# Allegro board 8880F5-0823_RXTX.brd (continued)
## Routing (per net, layer and track width the routed paths; a pad name or vN(x,y) marks a point on that pad's centre or on a via; arc(x,y) is an arc through that point) (continued)
; D132.B9 105.87,38.1 ; D132.B9 107.49,38.1 ; D131.A16 124.46,56.69 ; D131.A16 124.46,55.07 ; D131.A16 125.27,55.88 ; D131.A16 123.65,55.88 ; 164.39,63.5 D318.A3 ; D318.A3 165.1,64.21 ; D318.A3 165.1,62.79 ; D318.A3 165.81,63.5 ; 190.5,380.19 D431.B5 ; D431.B5 190.5,381.81 ; D431.B5 191.31,381 ; D431.B5 189.69,381 ; D317.A2 163.27,86.36 ; D317.A2 162.56,87.07 ; D317.A2 161.85,86.36 ; D317.A2 162.56,85.65 ; D125.B10 35.56,102.41 ; D125.B10 34.75,101.6 ; D125.B10 35.56,100.79 ; D125.B10 36.37,101.6 ; D120.A15 196.39,33.02 ; D120.A15 195.58,32.21 ; D120.A15 194.77,33.02 ; D120.A15 195.58,33.83 ; D321.B10 257.25,91.44 ; D321.B10 256.54,92.15 ; D321.B10 256.54,90.73 ; D321.B10 255.83,91.44 ; D322.B16 272.49,71.12 ; D322.B16 271.07,71.12 ; D322.B16 271.78,71.83 ; D322.B16 271.78,70.41 ; D123.A1 234.49,53.34 ; D123.A1 233.68,54.15 ; D123.A1 233.68,52.53 ; D123.A1 232.87,53.34 ; D431.B16 162.56,379.27 ; D431.B16 162.56,377.65 ; D431.B16 161.75,378.46 ; D431.B16 163.37,378.46 ; D306.B10 403.86,71.83 ; D306.B10 404.57,71.12 ; D306.B10 403.15,71.12 ; D306.B10 403.86,70.41 ; CSDPS229.C15 165.1,331.01 ; CSDPS229.C15 165.91,330.2 ; CSDPS229.C15 164.29,330.2 ; CSDPS229.C15 165.1,329.39 ; D108.A11 407.21,33.02 ; D108.A11 406.4,32.21 ; D108.A11 405.59,33.02 ; D108.A11 406.4,33.83 ; 321.87,83.82 D301.A7 ; D301.A7 323.29,83.82 ; D301.A7 322.58,84.53 ; D301.A7 322.58,83.11 ; 391.16,390.35 D112.B13 ; D112.B13 391.16,391.97 ; D112.B13 390.35,391.16 ; D112.B13 391.97,391.16 ; D116.B13 317.5,391.97 ; D116.B13 318.31,391.16 ; D116.B13 317.5,390.35 ; D116.B13 316.69,391.16 ; D106.B9 402.13,78.74 ; D106.B9 401.32,79.55 ; D106.B9 400.51,78.74 ; D106.B9 401.32,77.93 ; 340.36,367.49 D115.B4 ; D115.B4 339.55,368.3 ; D115.B4 341.17,368.3 ; 184.61,53.34 D119.A11 ; D119.A11 185.42,52.53 ; D119.A11 185.42,54.15 ; D119.A11 186.23,53.34 ; D109.A16 383.54,333.55 ; D109.A16 384.35,332.74 ; D109.A16 382.73,332.74 ; D109.A16 383.54,331.93 ; 329.03,245.95 SITE2.G17 ; SITE2.G17 328.55,246.43 ; SITE2.G17 329.03,246.91 ; SITE2.G17 329.51,246.43 ; 392.89,368.3 D111.B12 ; D111.B12 394.51,368.3 ; D111.B12 393.7,367.49 ; D111.B12 393.7,369.11 ; D231.B5 190.5,371.65 ; D231.B5 190.5,370.03 ; D231.B5 189.69,370.84 ; D231.B5 191.31,370.84 ; 387.81,347.98 D110.B14 ; D110.B14 388.62,347.17 ; D110.B14 388.62,348.79 ; D110.B14 389.43,347.98 ; 416.56,375.11 D111.A3 ; D111.A3 416.56,376.73 ; D111.A3 415.75,375.92 ; D111.A3 417.37,375.92 ; D130.B2 88.9,82.09 ; D130.B2 89.71,81.28 ; D130.B2 88.9,80.47 ; D130.B2 88.09,81.28 ; 342.09,375.92 D115.A3 ; D115.A3 343.71,375.92 ; D115.A3 342.9,376.73 ; D115.A3 342.9,375.11 ; D322.B6 247.09,71.12 ; D322.B6 245.67,71.12 ; D322.B6 246.38,71.83 ; D322.B6 246.38,70.41 ; CSDPS225.B10 252.27,332.74 ; CSDPS225.B10 251.46,331.93 ; CSDPS225.B10 251.46,333.55 ; CSDPS225.B10 250.65,332.74 ; 243.84,329.39 CSDPS225.C13 ; CSDPS225.C13 244.65,330.2 ; CSDPS225.C13 243.84,331.01 ; CSDPS225.C13 243.03,330.2 ; CSDPS429.B16 162.56,343.71 ; CSDPS429.B16 162.56,342.09 ; CSDPS429.B16 163.37,342.9 ; CSDPS429.B16 161.75,342.9 ; D127.A3 17.78,54.15 ; D127.A3 17.78,52.53 ; D127.A3 16.97,53.34 ; D127.A3 18.59,53.34 ; 327.66,395.43 D116.A9 ; D116.A9 327.66,397.05 ; D116.A9 326.85,396.24 ; D116.A9 328.47,396.24 ; D318.A1 160.02,64.21 ; D318.A1 160.02,62.79 ; D318.A1 160.73,63.5 ; D318.A1 159.31,63.5 ; 249.03,245.95 SITE1.G17 ; SITE1.G17 249.03,246.91 ; SITE1.G17 249.51,246.43 ; SITE1.G17 248.55,246.43 ; D322.A2 236.22,66.75 ; D322.A2 235.51,66.04 ; D322.A2 236.22,65.33 ; D322.A2 236.93,66.04 ; 388.62,70.41 D306.B4 ; D306.B4 389.33,71.12 ; D306.B4 387.91,71.12 ; D306.B4 388.62,71.83 ; 410.77,63.5 D306.A13 ; D306.A13 412.19,63.5 ; D306.A13 411.48,64.21 ; D306.A13 411.48,62.79 ; D114.B12 320.85,347.98 ; D114.B12 320.04,348.79 ; D114.B12 320.04,347.17 ; D114.B12 319.23,347.98 ; D110.B11 397.05,350.52 ; D110.B11 396.24,351.33 ; D110.B11 395.43,350.52 ; D110.B11 396.24,349.71 ; 160.02,32.21 D120.A1 ; D120.A1 160.83,33.02 ; D120.A1 160.02,33.83 ; D120.A1 159.21,33.02 ; 118.57,101.6 D129.B14 ; D129.B14 120.19,101.6 ; D129.B14 119.38,102.41 ; 255.73,60.96 D123.B10 ; D123.B10 257.35,60.96 ; D123.B10 256.54,61.77 ; D123.B10 256.54,60.15 ; 118.57,60.96 D131.B14 ; D131.B14 120.19,60.96 ; D131.B14 119.38,60.15 ; D131.B14 119.38,61.77 ; D119.A5 170.18,54.15 ; D119.A5 169.37,53.34 ; D119.A5 170.18,52.53 ; D119.A5 170.99,53.34 ; D120.B9 180.34,38.91 ; D120.B9 181.15,38.1 ; D120.B9 180.34,37.29 ; D120.B9 179.53,38.1 ; 108.41,55.88 D131.A10 ; D131.A10 109.22,55.07 ; D131.A10 109.22,56.69 ; D131.A10 110.03,55.88 ; D102.A5 317.5,74.47 ; D102.A5 318.31,73.66 ; D102.A5 316.69,73.66 ; D102.A5 317.5,72.85 ; 396.24,354.79 D110.A11 ; D110.A11 395.43,355.6 ; D110.A11 397.05,355.6 ; D110.A11 396.24,356.41 ; 250.65,40.64 D124.B8 ; D124.B8 251.46,39.83 ; D124.B8 251.46,41.45 ; D124.B8 252.27,40.64 ; D111.B7 407.21,370.84 ; D111.B7 406.4,370.03 ; D111.B7 406.4,371.65 ; D111.B7 405.59,370.84 ; 271.78,75.39 D122.A16 ; D122.A16 271.78,77.01 ; D122.A16 270.97,76.2 ; D122.A16 272.59,76.2 ; 329.03,242.35 SITE2.G13 ; SITE2.G13 329.51,242.83 ; SITE2.G13 328.55,242.83 ; SITE2.G13 329.03,243.31 ; D318.B10 183.59,71.12 ; D318.B10 182.17,71.12 ; D318.B10 182.88,70.41 ; D119.B2 163.37,60.96 ; D119.B2 162.56,61.77 ; D119.B2 162.56,60.15 ; D119.B2 161.75,60.96 ; 32.21,38.1 D128.B9 ; D128.B9 33.02,37.29 ; D128.B9 33.02,38.91 ; D128.B9 33.83,38.1 ; 182.07,342.9 CSDPS429.B8 ; CSDPS429.B8 182.88,343.71 ; CSDPS429.B8 182.88,342.09 ; CSDPS429.B8 183.69,342.9 ; 273.51,330.2 CSDPS225.C1 ; CSDPS225.C1 275.13,330.2 ; CSDPS225.C1 274.32,329.39 ; CSDPS225.C1 274.32,331.01 ; 329.33,180.85 SITE4.G2 ; SITE4.G2 328.85,181.33 ; SITE4.G2 329.81,181.33 ; SITE4.G2 329.33,181.81 ; 245.57,55.88 D123.A6 ; D123.A6 246.38,55.07 ; D123.A6 247.19,55.88 ; D123.A6 246.38,56.69 ; 104.14,100.79 D129.B8 ; D129.B8 104.95,101.6 ; D129.B8 103.33,101.6 ; D129.B8 104.14,102.41 ; D129.A1 87.17,93.98 ; D129.A1 85.55,93.98 ; D129.A1 86.36,93.17 ; D129.A1 86.36,94.79 ; D305.B10 404.57,91.44 ; D305.B10 403.86,92.15 ; D305.B10 403.15,91.44 ; D305.B10 403.86,90.73 ; 165.1,409.4 DPS8.C15 ; DPS8.C15 164.29,410.21 ; DPS8.C15 165.1,411.02 ; DPS8.C15 165.91,410.21 ; CSDPS425.C1 274.32,341.17 ; CSDPS425.C1 273.51,340.36 ; CSDPS425.C1 275.13,340.36 ; CSDPS425.C1 274.32,339.55 ; D111.A8 404.67,373.38 ; D111.A8 403.86,372.57 ; D111.A8 403.86,374.19 ; D111.A8 403.05,373.38 ; SITE4.G5 332.33,181.81 ; SITE4.G5 332.81,181.33 ; SITE4.G5 331.85,181.33 ; SITE4.G5 332.33,180.85 ; 314.15,35.56 D104.A4 ; D104.A4 314.96,34.75 ; D104.A4 315.77,35.56 ; D104.A4 314.96,36.37 ; D118.B8 178.61,81.28 ; D118.B8 177.8,82.09 ; D118.B8 176.99,81.28 ; 390.35,33.02 D108.A5 ; D108.A5 391.16,32.21 ; D108.A5 391.97,33.02 ; D108.A5 391.16,33.83 ; D112.B9 402.13,391.16 ; D112.B9 401.32,391.97 ; D112.B9 400.51,391.16 ; D112.B9 401.32,390.35 ; D318.B5 170.89,68.58 ; D318.B5 169.47,68.58 ; D318.B5 170.18,69.29 ; D318.B5 170.18,67.87 ; 165.1,385.27 D431.A15 ; D431.A15 164.29,386.08 ; D431.A15 165.91,386.08 ; D431.A15 165.1,386.89 ; D321.B4 242.01,91.44 ; D321.B4 241.3,92.15 ; D321.B4 241.3,90.73 ; D321.B4 240.59,91.44 ; D115.B16 310.69,368.3 ; D115.B16 309.88,367.49 ; D115.B16 309.07,368.3 ; 189.69,375.92 D231.A5 ; D231.A5 191.31,375.92 ; D231.A5 190.5,375.11 ; D231.A5 190.5,376.73 ; D104.A6 320.85,35.56 ; D104.A6 320.04,34.75 ; D104.A6 319.23,35.56 ; D104.A6 320.04,36.37 ; 266.7,331.93 CSDPS225.B4 ; CSDPS225.B4 267.51,332.74 ; CSDPS225.B4 265.89,332.74 ; CSDPS225.B4 266.7,333.55 ; D130.B4 93.98,82.09 ; D130.B4 94.79,81.28 ; D130.B4 93.98,80.47 ; D126.B9 33.02,79.55 ; D126.B9 33.02,77.93 ; D126.B9 33.83,78.74 ; D126.B9 32.21,78.74 ; 331.33,247.45 SITE2.G10 ; SITE2.G10 331.33,248.41 ; SITE2.G10 331.81,247.93 ; SITE2.G10 330.85,247.93 ; 180.34,385.27 D431.A9 ; D431.A9 179.53,386.08 ; D431.A9 181.15,386.08 ; D431.A9 180.34,386.89 ; 189.79,88.9 D317.B13 ; D317.B13 190.5,88.19 ; D317.B13 191.21,88.9 ; D317.B13 190.5,89.61 ; 396.24,72.85 D106.A7 ; D106.A7 396.24,74.47 ; D106.A7 395.43,73.66 ; D106.A7 397.05,73.66 ; 387.91,86.36 D305.A4 ; D305.A4 388.62,87.07 ; D305.A4 388.62,85.65 ; D305.A4 389.33,86.36 ; 314.15,327.66 D113.B14 ; D113.B14 314.96,328.47 ; D113.B14 315.77,327.66 ; D113.B14 314.96,326.85 ; CSDPS229.B2 198.12,333.55 ; CSDPS229.B2 198.12,331.93 ; CSDPS229.B2 198.93,332.74 ; CSDPS229.B2 197.31,332.74 ; 419.1,331.93 D109.A2 ; D109.A2 419.91,332.74 ; D109.A2 418.29,332.74 ; D109.A2 419.1,333.55 ; 182.88,331.93 CSDPS229.B8 ; CSDPS229.B8 182.07,332.74 ; CSDPS229.B8 183.69,332.74 ; CSDPS229.B8 182.88,333.55 ; 195.58,62.79 D318.A15 ; D318.A15 194.87,63.5 ; D318.A15 195.58,64.21 ; D318.A15 196.29,63.5 ; 322.58,88.19 D301.B7 ; D301.B7 322.58,89.61 ; D301.B7 321.87,88.9 ; D301.B7 323.29,88.9 ; 40.64,60.15 D127.B12 ; D127.B12 39.83,60.96 ; D127.B12 40.64,61.77 ; D127.B12 41.45,60.96 ; 408.94,55.07 D107.A12 ; D107.A12 408.13,55.88 ; D107.A12 409.75,55.88 ; D107.A12 408.94,56.69 ; D123.B3 239.57,58.42 ; D123.B3 237.95,58.42 ; D123.B3 238.76,59.23 ; D123.B3 238.76,57.61 ; 42.37,99.06 D125.B13 ; D125.B13 43.18,99.87 ; D125.B13 43.18,98.25 ; D125.B13 43.99,99.06 ; 172.72,60.15 D119.B6 ; D119.B6 172.72,61.77 ; D119.B6 171.91,60.96 ; D119.B6 173.53,60.96 ; D127.A9 33.02,54.15 ; D127.A9 33.83,53.34 ; D127.A9 33.02,52.53 ; D127.A9 32.21,53.34 ; 324.31,40.64 D104.B8 ; D104.B8 325.12,39.83 ; D104.B8 325.93,40.64 ; D104.B8 325.12,41.45 ; 248.85,187.93 SITE3.G8 ; SITE3.G8 249.33,187.45 ; SITE3.G8 249.81,187.93 ; SITE3.G8 249.33,188.41 ; U1.4 97.98,205.54 ; U1.4 97.04,204.6 ; U1.4 96.1,205.54 ; U1.4 97.04,206.48 ; 93.98,75.39 D130.A4 ; D130.A4 93.98,77.01 ; D130.A4 94.79,76.2 ; 330.2,392.89 D116.A8 ; D116.A8 329.39,393.7 ; D116.A8 330.2,394.51 ; D116.A8 331.01,393.7 ; 106.68,32.21 D132.A9 ; D132.A9 105.87,33.02 ; D132.A9 106.68,33.83 ; D132.A9 107.49,33.02 ; 316.69,335.28 D113.A13 ; D113.A13 318.31,335.28 ; D113.A13 317.5,336.09 ; D113.A13 317.5,334.47 ; UNK2U2.4 483.43,214.94 ; UNK2U2.4 482.49,215.88 ; UNK2U2.4 482.49,214 ; UNK2U2.4 481.55,214.94 ; D113.A8 331.01,332.74 ; D113.A8 330.2,333.55 ; D113.A8 329.39,332.74 ; D113.A8 330.2,331.93 ; 319.33,71.12 D302.B6 ; D302.B6 320.04,71.83 ; D302.B6 320.75,71.12 ; D302.B6 320.04,70.41 ; D321.B15 269.95,88.9 ; D321.B15 268.53,88.9 ; D321.B15 269.24,89.61 ; D321.B15 269.24,88.19 ; 248.21,63.5 D322.A7 ; D322.A7 248.92,64.21 ; D322.A7 248.92,62.79 ; D322.A7 249.63,63.5 ; 264.16,88.19 D321.B13 ; D321.B13 264.87,88.9 ; D321.B13 264.16,89.61 ; D321.B13 263.45,88.9 ; 382.83,66.04 D306.A2 ; D306.A2 384.25,66.04 ; D306.A2 383.54,65.33 ; D306.A2 383.54,66.75 ; 98.25,40.64 D132.B6 ; D132.B6 99.06,41.45 ; D132.B6 99.87,40.64 ; D108.A15 416.56,33.83 ; D108.A15 415.75,33.02 ; D108.A15 417.37,33.02 ; D108.A15 416.56,32.21 ; 20.32,100.79 D125.B4 ; D125.B4 19.51,101.6 ; D125.B4 21.13,101.6 ; D125.B4 20.32,102.41 ; 249.75,186.43 SITE3.G18 ; SITE3.G18 250.71,186.43 ; SITE3.G18 250.23,186.91 ; SITE3.G18 250.23,185.95 ; 314.96,60.15 D103.B4 ; D103.B4 314.15,60.96 ; D103.B4 315.77,60.96 ; D103.B4 314.96,61.77 ; D116.A10 325.12,394.51 ; D116.A10 325.93,393.7 ; D116.A10 325.12,392.89 ; D116.A10 324.31,393.7 ; D124.A2 236.22,36.37 ; D124.A2 236.22,34.75 ; D124.A2 235.41,35.56 ; D124.A2 237.03,35.56 ; 175.26,88.19 D317.B7 ; D317.B7 174.55,88.9 ; D317.B7 175.26,89.61 ; D317.B7 175.97,88.9 ; D119.B14 193.04,61.77 ; D119.B14 193.85,60.96 ; D119.B14 192.23,60.96 ; D119.B14 193.04,60.15 ; D128.A3 18.59,33.02 ; D128.A3 16.97,33.02 ; D128.A3 17.78,32.21 ; D128.A3 17.78,33.83 ; D116.B4 340.36,389.43 ; D116.B4 339.55,388.62 ; D116.B4 340.36,387.81 ; D116.B4 341.17,388.62 ; D113.A6 336.09,332.74 ; D113.A6 335.28,333.55 ; D113.A6 334.47,332.74 ; D113.A6 335.28,331.93 ; D112.B15 386.89,391.16 ; D112.B15 386.08,391.97 ; D112.B15 386.08,390.35 ; D112.B15 385.27,391.16 ; D114.B13 318.31,350.52 ; D114.B13 317.5,351.33 ; D114.B13 316.69,350.52 ; D114.B13 317.5,349.71 ; D132.B1 86.36,38.91 ; D132.B1 87.17,38.1 ; D132.B1 86.36,37.29 ; D132.B1 85.55,38.1 ; 180.34,62.79 D318.A9 ; D318.A9 181.05,63.5 ; D318.A9 180.34,64.21 ; D318.A9 179.63,63.5 ; D431.B7 185.42,381.81 ; D431.B7 186.23,381 ; D431.B7 185.42,380.19 ; D431.B7 184.61,381 ; 254,52.53 D123.A9 ; D123.A9 254,54.15 ; D123.A9 253.19,53.34 ; D123.A9 254.81,53.34 ; D119.B3 165.91,58.42 ; D119.B3 165.1,57.61 ; D119.B3 164.29,58.42 ; SITE3.G7 248.33,188.41 ; SITE3.G7 248.81,187.93 ; SITE3.G7 247.85,187.93 ; SITE3.G7 248.33,187.45 ; 165.1,88.19 D317.B3 ; D317.B3 164.39,88.9 ; D317.B3 165.81,88.9 ; D317.B3 165.1,89.61 ; 392.89,40.64 D108.B6 ; D108.B6 394.51,40.64 ; D108.B6 393.7,41.45 ; D108.B6 393.7,39.83 ; 337.11,88.9 D301.B13 ; D301.B13 337.82,88.19 ; D301.B13 337.82,89.61 ; D301.B13 338.53,88.9 ; 330.2,326.85 D113.B8 ; D113.B8 331.01,327.66 ; D113.B8 330.2,328.47 ; D113.B8 329.39,327.66 ; 48.26,37.29 D128.B15 ; D128.B15 49.07,38.1 ; D128.B15 47.45,38.1 ; D128.B15 48.26,38.91 ; 339.65,86.36 D301.A14 ; D301.A14 341.07,86.36 ; D301.A14 340.36,87.07 ; D301.A14 340.36,85.65 ; D111.A5 411.48,376.73 ; D111.A5 410.67,375.92 ; D111.A5 411.48,375.11 ; D111.A5 412.29,375.92 ; 332.74,62.79 D302.A11 ; D302.A11 332.03,63.5 ; D302.A11 332.74,64.21 ; D302.A11 333.45,63.5 ; D104.B15 342.9,38.91 ; D104.B15 342.9,37.29 ; D104.B15 342.09,38.1 ; D104.B15 343.71,38.1 ; 185.42,375.11 D231.A7 ; D231.A7 185.42,376.73 ; D231.A7 184.61,375.92 ; D231.A7 186.23,375.92 ; D318.A2 162.56,66.75 ; D318.A2 161.85,66.04 ; D318.A2 162.56,65.33 ; D318.A2 163.27,66.04 ; 383.54,39.83 D108.B2 ; D108.B2 382.73,40.64 ; D108.B2 384.35,40.64 ; D108.B2 383.54,41.45 ; 334.47,40.64 D104.B12 ; D104.B12 336.09,40.64 ; D104.B12 335.28,39.83 ; D104.B12 335.28,41.45 ; D317.A9 180.34,84.53 ; D317.A9 180.34,83.11 ; D317.A9 181.05,83.82 ; D317.A9 179.63,83.82 ; D124.A4 242.11,35.56 ; D124.A4 241.3,36.37 ; D124.A4 240.49,35.56 ; D124.A4 241.3,34.75 ; 185.42,329.39 CSDPS229.C7 ; CSDPS229.C7 184.61,330.2 ; CSDPS229.C7 186.23,330.2 ; CSDPS229.C7 185.42,331.01 ; D116.A2 345.44,394.51 ; D116.A2 344.63,393.7 ; D116.A2 345.44,392.89 ; D116.A2 346.25,393.7 ; 161.75,332.74 CSDPS229.B16 ; CSDPS229.B16 163.37,332.74 ; CSDPS229.B16 162.56,331.93 ; CSDPS229.B16 162.56,333.55 ; D102.B13 338.63,78.74 ; D102.B13 337.82,77.93 ; D102.B13 337.01,78.74 ; D102.B13 337.82,79.55 ; D119.A7 175.26,54.15 ; D119.A7 176.07,53.34 ; D119.A7 175.26,52.53 ; D119.A7 174.45,53.34 ; D103.A9 328.47,53.34 ; D103.A9 326.85,53.34 ; D103.A9 327.66,54.15 ; D103.A9 327.66,52.53 ; D431.B2 198.93,378.46 ; D431.B2 198.12,379.27 ; D431.B2 198.12,377.65 ; D431.B2 197.31,378.46 ; D305.B1 381.71,88.9 ; D305.B1 381,88.19 ; D305.B1 381,89.61 ; D305.B1 380.29,88.9 ; D317.A11 186.13,83.82 ; D317.A11 185.42,84.53 ; D317.A11 185.42,83.11 ; D317.A11 184.71,83.82 ; D122.A3 239.57,73.66 ; D122.A3 237.95,73.66 ; D122.A3 238.76,72.85 ; D122.A3 238.76,74.47 ; D106.A12 409.75,76.2 ; D106.A12 408.94,77.01 ; D106.A12 408.13,76.2 ; D106.A12 408.94,75.39 ; 413.31,91.44 D305.B14 ; D305.B14 414.73,91.44 ; D305.B14 414.02,92.15 ; D305.B14 414.02,90.73 ; 337.01,335.28 D113.A5 ; D113.A5 337.82,334.47 ; D113.A5 337.82,336.09 ; D113.A5 338.63,335.28 ; 241.3,39.83 D124.B4 ; D124.B4 240.49,40.64 ; D124.B4 242.11,40.64 ; D124.B4 241.3,41.45 ; 311.61,370.84 D115.B15 ; D115.B15 313.23,370.84 ; D115.B15 312.42,370.03 ; D115.B15 312.42,371.65 ; D302.A12 335.99,66.04 ; D302.A12 335.28,65.33 ; D302.A12 335.28,66.75 ; D302.A12 334.57,66.04 ; 194.77,340.36 CSDPS429.C3 ; CSDPS429.C3 195.58,341.17 ; CSDPS429.C3 196.39,340.36 ; CSDPS429.C3 195.58,339.55 ; D124.B12 261.62,41.45 ; D124.B12 260.81,40.64 ; D124.B12 261.62,39.83 ; D124.B12 262.43,40.64 ; 192.23,40.64 D120.B14 ; D120.B14 193.04,41.45 ; D120.B14 193.85,40.64 ; D120.B14 193.04,39.83 ; 397.97,347.98 D110.B10 ; D110.B10 398.78,348.79 ; D110.B10 398.78,347.17 ; D110.B10 399.59,347.98 ; 408.94,367.49 D111.B6 ; D111.B6 408.94,369.11 ; D111.B6 409.75,368.3 ; D111.B6 408.13,368.3 ; D321.A7 248.92,84.53 ; D321.A7 248.21,83.82 ; D321.A7 248.92,83.11 ; D321.A7 249.63,83.82 ; D107.A8 399.59,55.88 ; D107.A8 397.97,55.88 ; D107.A8 398.78,55.07 ; D107.A8 398.78,56.69 ; 337.01,53.34 D103.A13 ; D103.A13 337.82,54.15 ; D103.A13 338.63,53.34 ; D103.A13 337.82,52.53 ; D103.B8 325.93,60.96 ; D103.B8 325.12,61.77 ; D103.B8 324.31,60.96 ; D103.B8 325.12,60.15 ; 22.86,32.21 D128.A5 ; D128.A5 22.05,33.02 ; D128.A5 22.86,33.83 ; D128.A5 23.67,33.02 ; D131.A12 114.3,56.69 ; D131.A12 113.49,55.88 ; D131.A12 114.3,55.07 ; D131.A12 115.11,55.88 ; 329.75,246.43 SITE2.G18 ; SITE2.G18 330.71,246.43 ; SITE2.G18 330.23,245.95 ; SITE2.G18 330.23,246.91 ; D102.B11 332.74,79.55 ; D102.B11 331.93,78.74 ; D102.B11 333.55,78.74 ; D102.B11 332.74,77.93 ; 86.36,32.21 D132.A1 ; D132.A1 85.55,33.02 ; D132.A1 87.17,33.02 ; D132.A1 86.36,33.83 ; SITE1.G9 250.81,247.93 ; SITE1.G9 249.85,247.93 ; SITE1.G9 250.33,247.45 ; SITE1.G9 250.33,248.41 ; D111.B11 397.05,370.84 ; D111.B11 396.24,371.65 ; D111.B11 396.24,370.03 ; D111.B11 395.43,370.84 ; D317.A13 190.5,84.53 ; D317.A13 189.79,83.82 ; D317.A13 191.21,83.82 ; D317.A13 190.5,83.11 ; 397.97,332.74 D109.A10 ; D109.A10 398.78,331.93 ; D109.A10 399.59,332.74 ; D109.A10 398.78,333.55 ; D114.A9 328.47,355.6 ; D114.A9 327.66,354.79 ; D114.A9 327.66,356.41 ; D114.A9 326.85,355.6 ; 25.4,39.83 D128.B6 ; D128.B6 24.59,40.64 ; D128.B6 25.4,41.45 ; D128.B6 26.21,40.64 ; D116.A6 335.28,394.51 ; D116.A6 336.09,393.7 ; D116.A6 335.28,392.89 ; D116.A6 334.47,393.7 ; D109.B7 406.4,331.01 ; D109.B7 407.21,330.2 ; D109.B7 405.59,330.2 ; D109.B7 406.4,329.39 ; 103.33,76.2 D130.A8 ; D130.A8 104.14,75.39 ; D130.A8 104.95,76.2 ; D130.A8 104.14,77.01 ; D130.B14 119.38,82.09 ; D130.B14 120.19,81.28 ; D130.B14 118.57,81.28 ; D129.A3 92.25,93.98 ; D129.A3 91.44,93.17 ; D129.A3 91.44,94.79 ; D322.A4 242.01,66.04 ; D322.A4 240.59,66.04 ; D322.A4 241.3,66.75 ; D322.A4 241.3,65.33 ; D106.B4 389.43,81.28 ; D106.B4 387.81,81.28 ; D106.B4 388.62,82.09 ; D106.B4 388.62,80.47 ; 347.17,370.84 D115.B1 ; D115.B1 347.98,370.03 ; D115.B1 347.98,371.65 ; D115.B1 348.79,370.84 ; 333.33,240.85 SITE2.G6 ; SITE2.G6 333.81,241.33 ; SITE2.G6 333.33,241.81 ; SITE2.G6 332.85,241.33 ; 324.41,91.44 D301.B8 ; D301.B8 325.12,90.73 ; D301.B8 325.12,92.15 ; D301.B8 325.83,91.44 ; 317.5,67.87 D302.B5 ; D302.B5 318.21,68.58 ; D302.B5 317.5,69.29 ; D302.B5 316.79,68.58 ; D131.A11 112.57,53.34 ; D131.A11 110.95,53.34 ; D131.A11 111.76,52.53 ; D131.A11 111.76,54.15 ; D115.A4 341.17,373.38 ; D115.A4 340.36,372.57 ; D115.A4 339.55,373.38 ; D115.A4 340.36,374.19 ; 27.94,77.93 D126.B7 ; D126.B7 27.94,79.55 ; D126.B7 28.75,78.74 ; D126.B7 27.13,78.74 ; 123.65,35.56 D132.A16 125.27,35.56 ; 232.87,78.74 D122.B1 ; D122.B1 233.68,77.93 ; D122.B1 233.68,79.55 ; D122.B1 234.49,78.74 ; D302.B9 328.37,68.58 ; D302.B9 327.66,69.29 ; D302.B9 326.95,68.58 ; D302.B9 327.66,67.87 ; SITE1.G11 252.81,247.93 ; SITE1.G11 251.85,247.93 ; SITE1.G11 252.33,247.45 ; SITE1.G11 252.33,248.41 ; D306.A1 381.71,63.5 ; D306.A1 381,64.21 ; D306.A1 380.29,63.5 ; D306.A1 381,62.79 ; 101.6,52.53 D131.A7 101.6,54.15 ; D118.B5 170.18,79.55 ; D118.B5 170.99,78.74 ; D118.B5 170.18,77.93 ; D118.B5 169.37,78.74 ; CSDPS229.C3 196.39,330.2 ; CSDPS229.C3 195.58,331.01 ; CSDPS229.C3 195.58,329.39 ; CSDPS229.C3 194.77,330.2 ; D130.A14 119.38,77.01 ; D130.A14 118.57,76.2 ; D130.A14 120.19,76.2 ; D130.A14 119.38,75.39 ; 332.74,370.03 D115.B7 ; D115.B7 333.55,370.84 ; D115.B7 332.74,371.65 ; D115.B7 331.93,370.84 ; D306.A4 388.62,66.75 ; D306.A4 388.62,65.33 ; D306.A4 387.91,66.04 ; D306.A4 389.33,66.04 ; D107.B14 414.02,61.77 ; D107.B14 414.02,60.15 ; D107.B14 414.83,60.96 ; D107.B14 413.21,60.96 ; 251.46,55.07 D123.A8 ; D123.A8 252.27,55.88 ; D123.A8 251.46,56.69 ; D123.A8 250.65,55.88 ; D112.A1 421.64,397.05 ; D112.A1 421.64,395.43 ; D112.A1 422.45,396.24 ; D112.A1 420.83,396.24 ; D111.B2 419.1,369.11 ; D111.B2 419.91,368.3 ; D111.B2 418.29,368.3 ; D111.B2 419.1,367.49 ; 319.23,327.66 D113.B12 ; D113.B12 320.85,327.66 ; D113.B12 320.04,326.85 ; D113.B12 320.04,328.47 ; 342.9,349.71 D114.B3 ; D114.B3 343.71,350.52 ; D114.B3 342.09,350.52 ; D114.B3 342.9,351.33 ; UNK4U1.4 482.59,186.05 ; UNK4U1.4 481.65,185.11 ; UNK4U1.4 483.53,185.11 ; UNK4U1.4 482.59,184.17 ; 22.05,73.66 D126.A5 ; D126.A5 22.86,72.85 ; D126.A5 22.86,74.47 ; D126.A5 23.67,73.66 ; D118.B12 188.77,81.28 ; D118.B12 187.15,81.28 ; D118.B12 187.96,82.09 ; 249.75,246.43 SITE1.G18 ; SITE1.G18 250.23,245.95 ; SITE1.G18 250.23,246.91 ; SITE1.G18 250.71,246.43 ; D102.A10 330.2,77.01 ; D102.A10 331.01,76.2 ; D102.A10 330.2,75.39 ; D102.A10 329.39,76.2 ; 317.5,88.19 D301.B5 ; D301.B5 318.21,88.9 ; D301.B5 316.79,88.9 ; D301.B5 317.5,89.61 ; D431.B17 160.83,381 ; D431.B17 160.02,381.81 ; D431.B17 160.02,380.19 ; D431.B17 159.21,381 ; 411.48,67.87 D306.B13 ; D306.B13 410.77,68.58 ; D306.B13 412.19,68.58 ; D306.B13 411.48,69.29 ; 416.56,52.53 D107.A15 ; D107.A15 416.56,54.15 ; D107.A15 415.75,53.34 ; D107.A15 417.37,53.34 ; D118.A4 167.64,77.01 ; D118.A4 166.83,76.2 ; D118.A4 168.45,76.2 ; D118.A4 167.64,75.39 ; D112.A15 386.89,396.24 ; D112.A15 386.08,395.43 ; D112.A15 386.08,397.05 ; D112.A15 385.27,396.24 ; 382.73,35.56 D108.A2 ; D108.A2 383.54,36.37 ; D108.A2 383.54,34.75 ; D108.A2 384.35,35.56 ; 246.38,80.47 D122.B6 ; D122.B6 247.19,81.28 ; D122.B6 246.38,82.09 ; D122.B6 245.57,81.28 ; 395.53,63.5 D306.A7 ; D306.A7 396.24,64.21 ; D306.A7 396.95,63.5 ; D306.A7 396.24,62.79 ; 321.77,415.29 DPS2.A11 ; DPS2.A11 322.58,416.1 ; DPS2.A11 322.58,414.48 ; DPS2.A11 323.39,415.29 ; 159.21,370.84 D231.B17 ; D231.B17 160.02,370.03 ; D231.B17 160.02,371.65 ; D231.B17 160.83,370.84 ; 250.65,81.28 D122.B8 ; D122.B8 252.27,81.28 ; D122.B8 251.46,80.47 ; D122.B8 251.46,82.09 ; D302.A4 315.67,66.04 ; D302.A4 314.96,66.75 ; D302.A4 314.25,66.04 ; D302.A4 314.96,65.33 ; D231.B11 176.07,370.84 ; D231.B11 175.26,371.65 ; D231.B11 175.26,370.03 ; D231.B11 174.45,370.84 ; 268.43,330.2 CSDPS225.C3 ; CSDPS225.C3 269.24,329.39 ; CSDPS225.C3 269.24,331.01 ; CSDPS225.C3 270.05,330.2 ; D112.A3 417.37,396.24 ; D112.A3 416.56,397.05 ; D112.A3 416.56,395.43 ; D112.A3 415.75,396.24 ; 416.56,370.03 D111.B3 ; D111.B3 417.37,370.84 ; D111.B3 416.56,371.65 ; D111.B3 415.75,370.84 ; D129.B15 122.73,99.06 ; D129.B15 121.92,98.25 ; D129.B15 121.11,99.06 ; D129.B15 121.92,99.87 ; CSDPS429.C7 186.23,340.36 ; CSDPS429.C7 184.61,340.36 ; CSDPS429.C7 185.42,341.17 ; CSDPS429.C7 185.42,339.55 ; D102.A1 307.34,74.47 ; D102.A1 306.53,73.66 ; D102.A1 307.34,72.85 ; D102.A1 308.15,73.66 ; DPS1.C15 417.37,19.05 ; DPS1.C15 416.56,18.24 ; DPS1.C15 415.75,19.05 ; DPS1.C15 416.56,19.86 ; D130.A11 112.57,73.66 ; D130.A11 111.76,72.85 ; D130.A11 111.76,74.47 ; D130.A11 110.95,73.66 ; CSDPS229.C1 200.66,331.01 ; CSDPS229.C1 201.47,330.2 ; CSDPS229.C1 200.66,329.39 ; CSDPS229.C1 199.85,330.2 ; SITE4.G4 331.33,181.81 ; SITE4.G4 331.33,180.85 ; SITE4.G4 331.81,181.33 ; SITE4.G4 330.85,181.33 ; D131.A8 104.95,55.88 ; D131.A8 104.14,56.69 ; D131.A8 103.33,55.88 ; D131.A8 104.14,55.07 ; D123.B16 272.59,60.96 ; D123.B16 270.97,60.96 ; D123.B16 271.78,60.15 ; D123.B16 271.78,61.77 ; D107.B3 386.89,58.42 ; D107.B3 385.27,58.42 ; D107.B3 386.08,59.23 ; D107.B3 386.08,57.61 ; 390.45,88.9 D305.B5 ; D305.B5 391.87,88.9 ; D305.B5 391.16,88.19 ; D305.B5 391.16,89.61 ; 321.77,375.92 D115.A11 ; D115.A11 323.39,375.92 ; D115.A11 322.58,376.73 ; D115.A11 322.58,375.11 ; 236.22,75.39 D122.A2 ; D122.A2 235.41,76.2 ; D122.A2 237.03,76.2 ; D122.A2 236.22,77.01 ; 397.97,40.64 D108.B8 ; D108.B8 398.78,41.45 ; D108.B8 399.59,40.64 ; D108.B8 398.78,39.83 ; D130.B12 114.3,82.09 ; D130.B12 115.11,81.28 ; D130.B12 113.49,81.28 ; S2_I2C.4 505.89,203.45 ; S2_I2C.4 504.01,203.45 ; S2_I2C.4 504.95,202.51 ; DPS8.C01 200.66,411.02 ; DPS8.C01 200.66,409.4 ; DPS8.C01 199.85,410.21 ; DPS8.C01 201.47,410.21 ; 415.85,68.58 D306.B15 ; D306.B15 416.56,67.87 ; D306.B15 416.56,69.29 ; D306.B15 417.27,68.58 ; 169.37,381 D431.B13 ; D431.B13 170.18,381.81 ; D431.B13 170.18,380.19 ; D431.B13 170.99,381 ; 390.35,53.34 D107.A5 ; D107.A5 391.97,53.34 ; D107.A5 391.16,52.53 ; D107.A5 391.16,54.15 ; 386.08,77.93 D106.B3 ; D106.B3 386.89,78.74 ; D106.B3 386.08,79.55 ; D106.B3 385.27,78.74 ; 101.6,98.25 D129.B7 101.6,99.87 ; D123.B13 264.16,59.23 ; D123.B13 264.16,57.61 ; D123.B13 264.97,58.42 ; D123.B13 263.35,58.42 ; 24.59,55.88 D127.A6 ; D127.A6 26.21,55.88 ; D127.A6 25.4,56.69 ; D127.A6 25.4,55.07 ; 248.33,180.85 SITE3.G1 ; SITE3.G1 248.81,181.33 ; SITE3.G1 247.85,181.33 ; SITE3.G1 248.33,181.81 ; D102.B12 336.09,81.28 ; D102.B12 334.47,81.28 ; D102.B12 335.28,82.09 ; D102.B12 335.28,80.47 ; 116.03,33.02 D132.A13 ; D132.A13 116.84,33.83 ; D132.A13 116.84,32.21 ; D132.A13 117.65,33.02 ; D431.B10 177.8,379.27 ; D431.B10 177.8,377.65 ; D431.B10 178.61,378.46 ; D431.B10 176.99,378.46 ; 307.34,52.53 D103.A1 ; D103.A1 308.15,53.34 ; D103.A1 307.34,54.15 ; D103.A1 306.53,53.34 ; D122.A10 256.54,77.01 ; D122.A10 256.54,75.39 ; D122.A10 257.35,76.2 ; D122.A10 255.73,76.2 ; 189.69,386.08 D431.A5 ; D431.A5 191.31,386.08 ; D431.A5 190.5,385.27 ; D431.A5 190.5,386.89 ; D102.B16 345.44,82.09 ; D102.B16 345.44,80.47 ; D102.B16 344.63,81.28 ; D102.B16 346.25,81.28 ; 243.84,339.55 CSDPS425.C13 ; CSDPS425.C13 243.03,340.36 ; CSDPS425.C13 244.65,340.36 ; CSDPS425.C13 243.84,341.17 ; D112.B7 406.4,391.97 ; D112.B7 407.21,391.16 ; D112.B7 406.4,390.35 ; D112.B7 405.59,391.16 ; 22.05,99.06 D125.B5 ; D125.B5 22.86,98.25 ; D125.B5 22.86,99.87 ; D125.B5 23.67,99.06 ; SITE1.G13 249.51,242.83 ; SITE1.G13 248.55,242.83 ; SITE1.G13 249.03,243.31 ; SITE1.G13 249.03,242.35 ; 324.41,66.04 D302.A8 ; D302.A8 325.12,66.75 ; D302.A8 325.83,66.04 ; D302.A8 325.12,65.33 ; 393.7,65.33 D306.A6 ; D306.A6 393.7,66.75 ; D306.A6 394.41,66.04 ; D306.A6 392.99,66.04 ; 393.7,55.07 D107.A6 ; D107.A6 394.51,55.88 ; D107.A6 392.89,55.88 ; D107.A6 393.7,56.69 ; D122.A1 233.68,74.47 ; D122.A1 234.49,73.66 ; D122.A1 233.68,72.85 ; D122.A1 232.87,73.66 ; D110.A14 388.62,353.87 ; D110.A14 387.81,353.06 ; D110.A14 388.62,352.25 ; D110.A14 389.43,353.06 ; D116.A12 320.85,393.7 ; D116.A12 319.23,393.7 ; D116.A12 320.04,392.89 ; D116.A12 320.04,394.51 ; 236.22,342.09 CSDPS425.B16 ; CSDPS425.B16 235.41,342.9 ; CSDPS425.B16 236.22,343.71 ; CSDPS425.B16 237.03,342.9 ; CSDPS425.C5 264.16,341.17 ; CSDPS425.C5 264.97,340.36 ; CSDPS425.C5 263.35,340.36 ; CSDPS425.C5 264.16,339.55 ; 335.28,75.39 D102.A12 ; D102.A12 335.28,77.01 ; D102.A12 334.47,76.2 ; D102.A12 336.09,76.2 ; 337.01,370.84 D115.B5 ; D115.B5 337.82,370.03 ; D115.B5 337.82,371.65 ; D115.B5 338.63,370.84 ; D318.B3 165.81,68.58 ; D318.B3 165.1,67.87 ; D318.B3 164.39,68.58 ; D318.B3 165.1,69.29 ; 159.21,58.42 D119.B1 ; D119.B1 160.02,57.61 ; D119.B1 160.83,58.42 ; 401.32,67.87 D306.B9 ; D306.B9 401.32,69.29 ; D306.B9 402.03,68.58 ; D306.B9 400.61,68.58 ; D115.A7 333.55,375.92 ; D115.A7 332.74,376.73 ; D115.A7 331.93,375.92 ; D115.A7 332.74,375.11 ; D114.A14 314.96,353.87 ; D114.A14 315.77,353.06 ; D114.A14 314.96,352.25 ; D114.A14 314.15,353.06 ; 314.96,347.17 D114.B14 ; D114.B14 314.96,348.79 ; D114.B14 314.15,347.98 ; D114.B14 315.77,347.98 ; 312.42,329.39 D113.B15 ; D113.B15 313.23,330.2 ; D113.B15 311.61,330.2 ; D113.B15 312.42,331.01 ; D126.A3 17.78,74.47 ; D126.A3 17.78,72.85 ; D126.A3 16.97,73.66 ; D126.A3 18.59,73.66 ; D114.B9 328.47,350.52 ; D114.B9 327.66,349.71 ; D114.B9 326.85,350.52 ; D114.B9 327.66,351.33 ; 342.19,68.58 D302.B15 ; D302.B15 343.61,68.58 ; D302.B15 342.9,67.87 ; D302.B15 342.9,69.29 ; D122.A5 244.65,73.66 ; D122.A5 243.84,72.85 ; D122.A5 243.84,74.47 ; D122.A5 243.03,73.66 ; 380.19,58.42 D107.B1 ; D107.B1 381,57.61 ; D107.B1 381,59.23 ; D107.B1 381.81,58.42 ; 418.29,40.64 D108.B16 ; D108.B16 419.1,39.83 ; D108.B16 419.1,41.45 ; D108.B16 419.91,40.64 ; 258.27,73.66 D122.A11 ; D122.A11 259.89,73.66 ; D122.A11 259.08,72.85 ; D122.A11 259.08,74.47 ; 390.35,355.6 D110.A13 ; D110.A13 391.16,354.79 ; D110.A13 391.16,356.41 ; D110.A13 391.97,355.6 ; 390.35,19.05 DPS1.C05 ; DPS1.C05 391.97,19.05 ; DPS1.C05 391.16,19.86 ; DPS1.C05 391.16,18.24 ; 101.6,57.61 D131.B7 101.6,59.23 ; CSDPS429.C5 191.31,340.36 ; CSDPS429.C5 190.5,341.17 ; CSDPS429.C5 189.69,340.36 ; CSDPS429.C5 190.5,339.55 ; D130.A1 87.17,73.66 ; D130.A1 86.36,74.47 ; D130.A1 85.55,73.66 ; D130.A1 86.36,72.85 ; D116.B14 314.96,389.43 ; D116.B14 314.15,388.62 ; D116.B14 315.77,388.62 ; D116.B14 314.96,387.81 ; 166.83,81.28 D118.B4 ; D118.B4 167.64,82.09 ; D118.B4 168.45,81.28 ; D116.B5 337.82,391.97 ; D116.B5 337.82,390.35 ; D116.B5 338.63,391.16 ; D116.B5 337.01,391.16 ; 193.04,331.93 CSDPS229.B4 ; CSDPS229.B4 192.23,332.74 ; CSDPS229.B4 193.85,332.74 ; CSDPS229.B4 193.04,333.55 ; 254,67.87 D322.B9 ; D322.B9 254.71,68.58 ; D322.B9 253.29,68.58 ; D322.B9 254,69.29 ; 392.89,327.66 D109.B12 ; D109.B12 393.7,326.85 ; D109.B12 393.7,328.47 ; D109.B12 394.51,327.66 ; 344.63,60.96 D103.B16 ; D103.B16 345.44,60.15 ; D103.B16 346.25,60.96 ; D103.B16 345.44,61.77 ; 309.88,55.07 D103.A2 ; D103.A2 310.69,55.88 ; D103.A2 309.88,56.69 ; D103.A2 309.07,55.88 ; 232.97,88.9 D321.B1 ; D321.B1 233.68,89.61 ; D321.B1 234.39,88.9 ; D321.B1 233.68,88.19 ; 309.88,70.41 D302.B2 ; D302.B2 309.88,71.83 ; D302.B2 309.17,71.12 ; D302.B2 310.59,71.12 ; 327.66,334.47 D113.A9 ; D113.A9 327.66,336.09 ; D113.A9 326.85,335.28 ; D113.A9 328.47,335.28 ; 193.04,85.65 D317.A14 ; D317.A14 193.75,86.36 ; D317.A14 192.33,86.36 ; D317.A14 193.04,87.07 ; D317.A5 170.89,83.82 ; D317.A5 170.18,83.11 ; D317.A5 170.18,84.53 ; D317.A5 169.47,83.82 ; SITE3.G9 250.81,187.93 ; SITE3.G9 250.33,187.45 ; SITE3.G9 250.33,188.41 ; SITE3.G9 249.85,187.93 ; D301.A16 346.15,86.36 ; D301.A16 345.44,87.07 ; D301.A16 344.73,86.36 ; D301.A16 345.44,85.65 ; 248.92,32.21 D124.A7 ; D124.A7 248.11,33.02 ; D124.A7 248.92,33.83 ; D124.A7 249.73,33.02 ; 171.91,342.9 CSDPS429.B12 ; CSDPS429.B12 172.72,342.09 ; CSDPS429.B12 173.53,342.9 ; CSDPS429.B12 172.72,343.71 ; D129.B10 110.03,101.6 ; D129.B10 108.41,101.6 ; D129.B10 109.22,102.41 ; D129.B10 109.22,100.79 ; D302.A1 308.05,63.5 ; D302.A1 307.34,62.79 ; D302.A1 306.63,63.5 ; D302.A1 307.34,64.21 ; D123.B11 259.08,59.23 ; D123.B11 259.89,58.42 ; D123.B11 259.08,57.61 ; D123.B11 258.27,58.42 ; D116.B7 333.55,391.16 ; D116.B7 332.74,391.97 ; D116.B7 332.74,390.35 ; D116.B7 331.93,391.16 ; D318.A13 190.5,64.21 ; D318.A13 191.21,63.5 ; D318.A13 190.5,62.79 ; D318.A13 189.79,63.5 ; 337.82,37.29 D104.B13 ; D104.B13 338.63,38.1 ; D104.B13 337.01,38.1 ; D104.B13 337.82,38.91 ; 264.16,67.87 D322.B13 ; D322.B13 264.87,68.58 ; D322.B13 263.45,68.58 ; D322.B13 264.16,69.29 ; D112.A12 393.7,394.51 ; D112.A12 394.51,393.7 ; D112.A12 392.89,393.7 ; D112.A12 393.7,392.89 ; D317.A7 175.26,84.53 ; D317.A7 175.26,83.11 ; D317.A7 175.97,83.82 ; D317.A7 174.55,83.82 ; D120.A14 193.04,36.37 ; D120.A14 193.85,35.56 ; D120.A14 193.04,34.75 ; D120.A14 192.23,35.56 ; D115.A8 331.01,373.38 ; D115.A8 330.2,372.57 ; D115.A8 329.39,373.38 ; D115.A8 330.2,374.19 ; 50.8,100.79 D125.B16 ; D125.B16 50.8,102.41 ; D125.B16 49.99,101.6 ; D125.B16 51.61,101.6 ; D231.A16 163.37,373.38 ; D231.A16 161.75,373.38 ; D231.A16 162.56,374.19 ; D231.A16 162.56,372.57 ; 118.57,35.56 D132.A14 120.19,35.56 ; 243.03,38.1 D124.B5 ; D124.B5 244.65,38.1 ; D124.B5 243.84,37.29 ; D124.B5 243.84,38.91 ; 185.42,37.29 D120.B11 ; D120.B11 186.23,38.1 ; D120.B11 184.61,38.1 ; D120.B11 185.42,38.91 ; 233.68,83.11 D321.A1 ; D321.A1 232.97,83.82 ; D321.A1 233.68,84.53 ; D321.A1 234.39,83.82 ; 30.48,95.71 D125.A8 ; D125.A8 29.67,96.52 ; D125.A8 31.29,96.52 ; D125.A8 30.48,97.33 ; 403.05,55.88 D107.A10 ; D107.A10 403.86,55.07 ; D107.A10 403.86,56.69 ; D107.A10 404.67,55.88 ; D124.A10 257.35,35.56 ; D124.A10 256.54,36.37 ; D124.A10 255.73,35.56 ; D124.A10 256.54,34.75 ; D106.A2 384.35,76.2 ; D106.A2 383.54,77.01 ; D106.A2 383.54,75.39 ; D106.A2 382.73,76.2 ; 321.77,335.28 D113.A11 ; D113.A11 323.39,335.28 ; D113.A11 322.58,334.47 ; D113.A11 322.58,336.09 ; SITE1.G8 249.33,248.41 ; SITE1.G8 249.81,247.93 ; SITE1.G8 249.33,247.45 ; SITE1.G8 248.85,247.93 ; D305.A6 394.41,86.36 ; D305.A6 393.7,87.07 ; D305.A6 393.7,85.65 ; D305.A6 392.99,86.36 ; D130.A6 99.87,76.2 ; D130.A6 99.06,75.39 ; D130.A6 98.25,76.2 ; D130.A6 99.06,77.01 ; D132.B2 88.9,41.45 ; D132.B2 88.9,39.83 ; D132.B2 88.09,40.64 ; D132.B2 89.71,40.64 ; D126.B10 35.56,82.09 ; D126.B10 34.75,81.28 ; D126.B10 35.56,80.47 ; D126.B10 36.37,81.28 ; 395.43,391.16 D112.B11 ; D112.B11 397.05,391.16 ; D112.B11 396.24,391.97 ; D302.A2 310.59,66.04 ; D302.A2 309.88,66.75 ; D302.A2 309.17,66.04 ; D302.A2 309.88,65.33 ; 326.85,375.92 D115.A9 ; D115.A9 327.66,376.73 ; D115.A9 328.47,375.92 ; D115.A9 327.66,375.11 ; 410.67,78.74 D106.B13 ; D106.B13 411.48,77.93 ; D106.B13 412.29,78.74 ; D106.B13 411.48,79.55 ; 197.31,368.3 D231.B2 ; D231.B2 198.12,367.49 ; D231.B2 198.12,369.11 ; D231.B2 198.93,368.3 ; D305.A3 386.79,83.82 ; D305.A3 386.08,84.53 ; D305.A3 385.37,83.82 ; 243.84,67.87 D322.B5 ; D322.B5 244.55,68.58 ; D322.B5 243.84,69.29 ; D322.B5 243.13,68.58 ; D127.B6 25.4,61.77 ; D127.B6 24.59,60.96 ; D127.B6 25.4,60.15 ; D127.B6 26.21,60.96 ; 192.23,378.46 D431.B4 ; D431.B4 193.04,379.27 ; D431.B4 193.85,378.46 ; D431.B4 193.04,377.65 ; 197.31,40.64 D120.B16 ; D120.B16 198.12,39.83 ; D120.B16 198.93,40.64 ; D120.B16 198.12,41.45 ; D306.A11 407.11,63.5 ; D306.A11 405.69,63.5 ; D306.A11 406.4,62.79 ; D306.A11 406.4,64.21 ; 258.27,330.2 CSDPS225.C7 ; CSDPS225.C7 259.08,329.39 ; CSDPS225.C7 259.08,331.01 ; CSDPS225.C7 259.89,330.2 ; DPS8.C11 176.07,410.21 ; DPS8.C11 175.26,409.4 ; DPS8.C11 175.26,411.02 ; DPS8.C11 174.45,410.21 ; 248.11,53.34 D123.A7 ; D123.A7 248.92,52.53 ; D123.A7 248.92,54.15 ; D123.A7 249.73,53.34 ; 387.81,35.56 D108.A4 ; D108.A4 389.43,35.56 ; D108.A4 388.62,36.37 ; D108.A4 388.62,34.75 ; 187.15,368.3 D231.B6 ; D231.B6 187.96,369.11 ; D231.B6 187.96,367.49 ; D231.B6 188.77,368.3 ; D431.B14 168.45,378.46 ; D431.B14 167.64,379.27 ; D431.B14 166.83,378.46 ; D431.B14 167.64,377.65 ; D118.A8 177.8,77.01 ; D118.A8 178.61,76.2 ; D118.A8 177.8,75.39 ; D118.A8 176.99,76.2 ; 347.98,375.11 D115.A1 ; D115.A1 347.98,376.73 ; D115.A1 347.17,375.92 ; D115.A1 348.79,375.92 ; 198.12,342.09 CSDPS429.B2 ; CSDPS429.B2 198.93,342.9 ; CSDPS429.B2 198.12,343.71 ; CSDPS429.B2 197.31,342.9 ; 328.85,187.93 SITE4.G8 ; SITE4.G8 329.33,188.41 ; SITE4.G8 329.81,187.93 ; SITE4.G8 329.33,187.45 ; 179.63,68.58 D318.B9 ; D318.B9 181.05,68.58 ; D318.B9 180.34,67.87 ; D318.B9 180.34,69.29 ; 44.91,76.2 D126.A14 ; D126.A14 45.72,75.39 ; D126.A14 46.53,76.2 ; D126.A14 45.72,77.01 ; 380.19,38.1 D108.B1 ; D108.B1 381,37.29 ; D108.B1 381,38.91 ; D108.B1 381.81,38.1 ; 332.85,181.33 SITE4.G6 ; SITE4.G6 333.81,181.33 ; SITE4.G6 333.33,181.81 ; SITE4.G6 333.33,180.85 ; D123.B1 233.68,59.23 ; D123.B1 233.68,57.61 ; D123.B1 234.49,58.42 ; D123.B1 232.87,58.42 ; 254,329.39 CSDPS225.C9 ; CSDPS225.C9 254,331.01 ; CSDPS225.C9 254.81,330.2 ; CSDPS225.C9 253.19,330.2 ; D115.A6 335.28,374.19 ; D115.A6 335.28,372.57 ; D115.A6 336.09,373.38 ; D115.A6 334.47,373.38 ; D112.B3 416.56,391.97 ; D112.B3 417.37,391.16 ; D112.B3 415.75,391.16 ; D112.B3 416.56,390.35 ; D122.B16 272.59,81.28 ; D122.B16 271.78,82.09 ; D122.B16 271.78,80.47 ; D122.B16 270.97,81.28 ; 398.78,75.39 D106.A8 ; D106.A8 398.78,77.01 ; D106.A8 399.59,76.2 ; D106.A8 397.97,76.2 ; 236.22,55.07 D123.A2 ; D123.A2 237.03,55.88 ; D123.A2 235.41,55.88 ; D123.A2 236.22,56.69 ; 401.32,62.79 D306.A9 ; D306.A9 401.32,64.21 ; D306.A9 402.03,63.5 ; D306.A9 400.61,63.5 ; 327.66,329.39 D113.B9 ; D113.B9 326.85,330.2 ; D113.B9 327.66,331.01 ; D113.B9 328.47,330.2 ; 311.61,350.52 D114.B15 ; D114.B15 313.23,350.52 ; D114.B15 312.42,351.33 ; D114.B15 312.42,349.71 ; 24.59,96.52 D125.A6 ; D125.A6 26.21,96.52 ; D125.A6 25.4,97.33 ; D125.A6 25.4,95.71 ; 252.63,245.95 SITE1.G20 ; SITE1.G20 252.63,246.91 ; SITE1.G20 252.15,246.43 ; SITE1.G20 253.11,246.43 ; 100.79,38.1 D132.B7 ; D132.B7 101.6,37.29 ; D132.B7 102.41,38.1 ; D132.B7 101.6,38.91 ; 50.8,80.47 D126.B16 ; D126.B16 49.99,81.28 ; D126.B16 51.61,81.28 ; D126.B16 50.8,82.09 ; 413.31,71.12 D306.B14 ; D306.B14 414.02,70.41 ; D306.B14 414.73,71.12 ; D306.B14 414.02,71.83 ; 340.36,39.83 D104.B14 ; D104.B14 340.36,41.45 ; D104.B14 341.17,40.64 ; D104.B14 339.55,40.64 ; 383.54,85.65 D305.A2 ; D305.A2 384.25,86.36 ; D305.A2 383.54,87.07 ; D305.A2 382.83,86.36 ; 12.7,57.61 D127.B1 ; D127.B1 13.51,58.42 ; D127.B1 12.7,59.23 ; D103.B7 322.58,59.23 ; D103.B7 322.58,57.61 ; D103.B7 321.77,58.42 ; D103.B7 323.39,58.42 ; D118.B9 181.15,78.74 ; D118.B9 180.34,77.93 ; D118.B9 180.34,79.55 ; D118.B9 179.53,78.74 ; D113.B7 333.55,330.2 ; D113.B7 331.93,330.2 ; D113.B7 332.74,329.39 ; D113.B7 332.74,331.01 ; D125.A13 43.18,94.79 ; D125.A13 43.99,93.98 ; D125.A13 42.37,93.98 ; D125.A13 43.18,93.17 ; 406.4,88.19 D305.B11 ; D305.B11 407.11,88.9 ; D305.B11 405.69,88.9 ; D305.B11 406.4,89.61 ; 248.11,58.42 D123.B7 ; D123.B7 249.73,58.42 ; D123.B7 248.92,57.61 ; D123.B7 248.92,59.23 ; D104.A1 308.15,33.02 ; D104.A1 307.34,32.21 ; D104.A1 306.53,33.02 ; D104.A1 307.34,33.83 ; 330.2,387.81 D116.B8 ; D116.B8 331.01,388.62 ; D116.B8 330.2,389.43 ; D116.B8 329.39,388.62 ; DPS1.A15 417.37,13.97 ; DPS1.A15 415.75,13.97 ; DPS1.A15 416.56,14.78 ; DPS1.A15 416.56,13.16 ; 182.07,383.54 D431.A8 ; D431.A8 182.88,384.35 ; D431.A8 183.69,383.54 ; D431.A8 182.88,382.73 ; D118.A6 173.53,76.2 ; D118.A6 172.72,77.01 ; D118.A6 171.91,76.2 ; D118.A6 172.72,75.39 ; 403.86,85.65 D305.A10 ; D305.A10 404.57,86.36 ; D305.A10 403.86,87.07 ; D305.A10 403.15,86.36 ; 96.52,72.85 D130.A5 ; D130.A5 96.52,74.47 ; D130.A5 97.33,73.66 ; 22.05,53.34 D127.A5 ; D127.A5 22.86,52.53 ; D127.A5 22.86,54.15 ; D127.A5 23.67,53.34 ; D321.A9 254,84.53 ; D321.A9 253.29,83.82 ; D321.A9 254,83.11 ; D321.A9 254.71,83.82 ; SITE3.G10 251.33,188.41 ; SITE3.G10 251.33,187.45 ; SITE3.G10 250.85,187.93 ; SITE3.G10 251.81,187.93 ; 405.59,78.74 D106.B11 ; D106.B11 406.4,79.55 ; D106.B11 406.4,77.93 ; D106.B11 407.21,78.74 ; D132.B12 115.11,40.64 ; D132.B12 113.49,40.64 ; D132.B12 114.3,41.45 ; SITE1.G4 251.81,241.33 ; SITE1.G4 251.33,241.81 ; SITE1.G4 251.33,240.85 ; SITE1.G4 250.85,241.33 ; 37.29,73.66 D126.A11 ; D126.A11 38.1,72.85 ; D126.A11 38.91,73.66 ; D126.A11 38.1,74.47 ; 309.88,347.17 D114.B16 ; D114.B16 309.07,347.98 ; D114.B16 309.88,348.79 ; D114.B16 310.69,347.98 ; DPS2.A01 348.79,415.29 ; DPS2.A01 347.98,416.1 ; DPS2.A01 347.98,414.48 ; DPS2.A01 347.17,415.29 ; D231.B12 173.53,368.3 ; D231.B12 172.72,369.11 ; D231.B12 171.91,368.3 ; D231.B12 172.72,367.49 ; 166.83,40.64 D120.B4 ; D120.B4 168.45,40.64 ; D120.B4 167.64,41.45 ; D120.B4 167.64,39.83 ; D301.B10 330.2,92.15 ; D301.B10 329.49,91.44 ; D301.B10 330.91,91.44 ; D301.B10 330.2,90.73 ; 180.34,339.55 CSDPS429.C9 ; CSDPS429.C9 181.15,340.36 ; CSDPS429.C9 179.53,340.36 ; CSDPS429.C9 180.34,341.17 ; 317.5,370.03 D115.B13 ; D115.B13 318.31,370.84 ; D115.B13 317.5,371.65 ; D115.B13 316.69,370.84 ; 161.75,383.54 D431.A16 ; D431.A16 162.56,382.73 ; D431.A16 162.56,384.35 ; D431.A16 163.37,383.54 ; D110.B16 384.35,347.98 ; D110.B16 383.54,348.79 ; D110.B16 382.73,347.98 ; D110.B16 383.54,347.17 ; 170.18,32.21 D120.A5 ; D120.A5 170.18,33.83 ; D120.A5 170.99,33.02 ; D120.A5 169.37,33.02 ; 410.67,58.42 D107.B13 ; D107.B13 411.48,59.23 ; D107.B13 411.48,57.61 ; D107.B13 412.29,58.42 ; D109.A1 421.64,336.09 ; D109.A1 420.83,335.28 ; D109.A1 422.45,335.28 ; D109.A1 421.64,334.47 ; D130.B1 87.17,78.74 ; D130.B1 86.36,79.55 ; D130.B1 86.36,77.93 ; D130.B1 85.55,78.74 ; D107.A2 383.54,56.69 ; D107.A2 384.35,55.88 ; D107.A2 383.54,55.07 ; D107.A2 382.73,55.88 ; CSDPS229.B10 177.8,333.55 ; CSDPS229.B10 178.61,332.74 ; CSDPS229.B10 176.99,332.74 ; CSDPS229.B10 177.8,331.93 ; 393.7,352.25 D110.A12 ; D110.A12 394.51,353.06 ; D110.A12 392.89,353.06 ; D110.A12 393.7,353.87 ; D108.B13 412.29,38.1 ; D108.B13 411.48,37.29 ; D108.B13 411.48,38.91 ; D108.B13 410.67,38.1 ; D302.B11 332.74,69.29 ; D302.B11 332.74,67.87 ; D302.B11 332.03,68.58 ; D302.B11 333.45,68.58 ; D108.A16 419.1,36.37 ; D108.A16 419.91,35.56 ; D108.A16 418.29,35.56 ; D108.A16 419.1,34.75 ; 397.97,388.62 D112.B10 ; D112.B10 398.78,389.43 ; D112.B10 398.78,387.81 ; D112.B10 399.59,388.62 ; 258.37,68.58 D322.B11 ; D322.B11 259.08,69.29 ; D322.B11 259.08,67.87 ; D322.B11 259.79,68.58